# Altium PCB main.PcbDoc (part 4 of 5)
Units mm, origin at the board's own origin, x right, y up, seen from the top; angles counter-clockwise.
Board outline 54 x 86 mm, 8 copper layers (L1, L2, L3, L4, L5, L6, L7, L8), stack 1.624 mm thick; 313 components, 261 nets, 1426 pads, 897 vias.
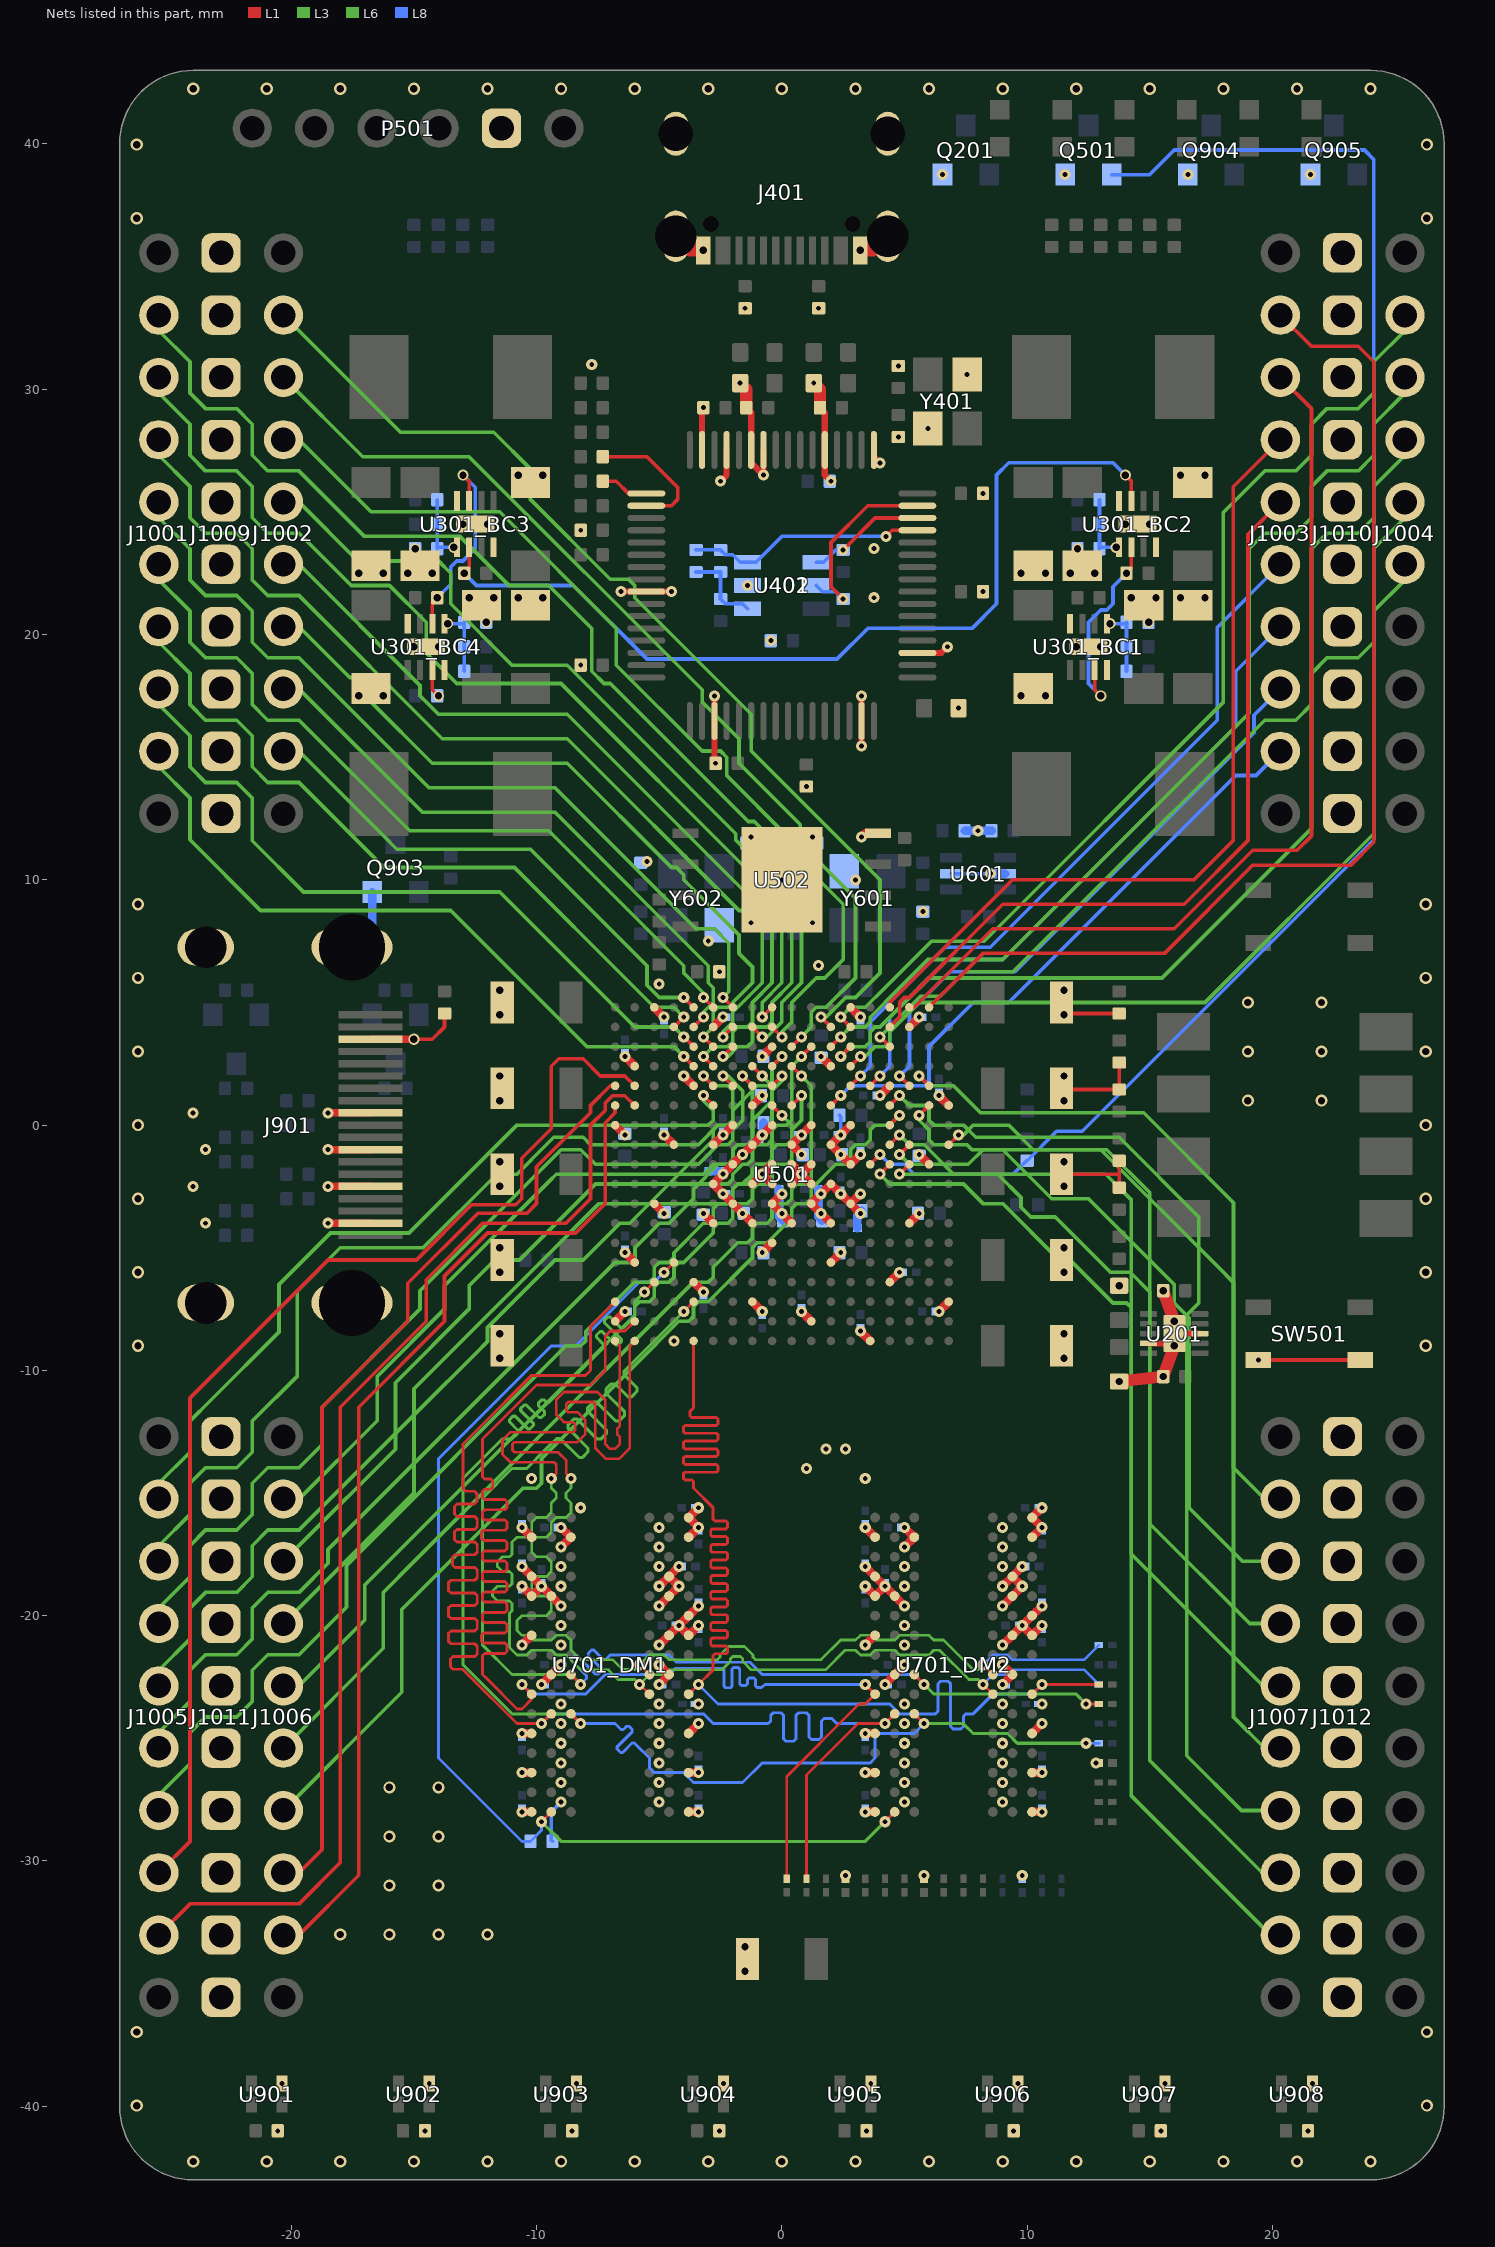
[diagram p10: the nets of this part, all layers, seen from the top]

## Via types
v1: diameter 0.45/0/0/0/0/0/0/0.45 (per signal layer), hole 0.2, L1 to L8, tented both sides, 459 vias
v2: diameter 0.45/0/0/0/0/0/0/0.45 (per signal layer), hole 0.3, L1 to L8, tented both sides, 203 vias
v3: diameter 0.45/0/0/0/0/0.45/0/0.45 (per signal layer), hole 0.2, L1 to L8, tented both sides, 98 vias
v4: diameter 0.5/0/0/0/0/0/0/0.5 (per signal layer), hole 0.3, L1 to L8, tented both sides, 72 vias
v5: diameter 0.45/0/0.45/0/0/0/0/0.45 (per signal layer), hole 0.2, L1 to L8, tented both sides, 58 vias
v6: diameter 0.45/0/0.45/0/0/0.45/0/0.45 (per signal layer), hole 0.2, L1 to L8, tented both sides, 6 vias
v7: diameter 0.45/0/0.45/0/0/0/0/0.45 (per signal layer), hole 0.3, L1 to L8, tented both sides, 1 vias

## Nets (pads, with @x,y where several pads share a name; then routed paths per layer and width w, separated by ;. In a path a pad name is that pad's centre, name@x,y a point inside that pad or via, vN(x,y) a via of type N, cw(c..) or ccw(c..) an arc to the next point about the centre after c; other vN are vias at no path point) (continued)
DDRCTL.CK_1_N: R826.1 U501.A1 U701_DM1.K7 U701_DM2.K7 | length 56.5
  L1 w0.108: v3(-9.4,-14.4) -9.204,-14.204 -9.204,-14 -9.204,-13.826 -9.286,-13.745 -11.068,-13.745 -11.389,-13.424 -11.389,-12.841 -11.068,-12.52 -8.506,-12.52 -8.425,-12.438 -8.425,-12.194 -8.506,-12.112 -8.883,-12.112 -9.204,-11.791 -9.204,-11.4 -9.204,-11.204 -8.88,-10.88 -7.52,-10.88 -7.4,-11 -7.2,-11.2 -7.2,-13 -7,-13.2 -6.8,-13.2 -6.604,-13.004 -6.604,-12.774 -6.604,-12.72 -6.709,-12.615 -6.709,-12.365 -6.604,-12.261 -6.604,-12.207 -6.604,-8.996 U501.A1@-6.8,-8.8 ; v6(-5.8,-22.8) U701_DM1.K7@-5.4,-23.2 ; v5(8.2,-22.8) U701_DM2.K7@8.6,-23.2
  L3 w0.114: v6(-5.8,-22.8) -5.4,-22.4 -4.8,-22.4 -4.607,-22.207 -2.8,-22.207 -2.45,-22.207 -2.105,-21.862 -2.105,-21.772 -2.002,-21.669 -1.694,-21.669 -1.591,-21.772 -1.591,-21.862 -1.246,-22.207 -0.848,-22.207 1.771,-22.207 2.571,-21.407 3.007,-21.407 3.2,-21.6 3.6,-21.6 3.793,-21.407 4.607,-21.407 4.8,-21.6 6,-21.6 6.193,-21.407 6.422,-21.407 7.622,-22.607 8.007,-22.607 v5(8.2,-22.8)
  L6 w0.114: v3(-9.4,-14.4) -9.4,-14.8 -9.2,-15 -9.2,-15.2 -9.4,-15.4 -9.4,-15.8 -9.6,-16 -10,-16 -10.2,-16.2 -10.2,-16.6 -10.4,-16.8 -10.8,-16.8 -11,-17 -11,-17.5 -11.1,-17.6 -11.4,-17.6 -11.6,-17.8 -11.6,-18 -11.4,-18.2 -11.1,-18.2 -11,-18.3 -11,-18.7 -11.1,-18.8 -11.6,-18.8 -11.8,-19 -11.8,-19.2 -11.6,-19.4 -11.1,-19.4 -11,-19.5 -11,-19.8 -11.1,-19.9 -11.1,-21.3 -10.8,-21.6 -10.4,-21.6 -10.207,-21.407 -9.393,-21.407 -9.2,-21.6 -8.8,-21.6 -8.193,-22.207 -7.071,-22.207 -6.671,-22.607 -5.993,-22.607 v6(-5.8,-22.8)
  L8 w0.108: v5(8.2,-22.8) 8.6,-22.4 9.2,-22.4 9.4,-22.2 12.325,-22.2 R826.1@12.925,-22.8
DDRCTL.CK_1_P: R825.2 U501.B1 U701_DM1.J7 U701_DM2.J7 | length 56.5
  L1 w0.108: v3(-8.6,-14.4) -8.796,-14.204 -8.796,-14 -8.796,-13.657 -9.117,-13.336 -10.899,-13.336 -10.98,-13.255 -10.98,-13.01 -10.899,-12.928 -8.337,-12.928 -8.016,-12.608 -8.016,-12.024 -8.337,-11.704 -8.714,-11.704 -8.796,-11.622 -8.796,-11.4 -8.796,-11.373 -8.711,-11.289 -7.689,-11.289 -7.608,-11.369 -7.608,-13.169 -7.489,-13.289 -7.289,-13.489 -7.169,-13.608 -6.631,-13.608 -6.511,-13.489 -6.196,-13.173 -6.196,-8.996 U501.B1@-6,-8.8 ; v6(-5.8,-22) U701_DM1.J7@-5.4,-22.4 ; v5(8.2,-22) U701_DM2.J7@8.6,-22.4
  L3 w0.114: v6(-5.8,-22) -5.4,-21.6 -4.8,-21.6 -4.607,-21.793 -2.8,-21.793 -2.622,-21.793 -2.519,-21.69 -2.519,-21.6 -2.174,-21.255 -1.522,-21.255 -1.177,-21.6 -1.177,-21.69 -1.074,-21.793 -0.848,-21.793 1.6,-21.793 2.4,-20.993 3.007,-20.993 3.2,-20.8 3.6,-20.8 3.793,-20.993 4.607,-20.993 4.8,-20.8 6,-20.8 6.193,-20.993 6.593,-20.993 7.793,-22.193 8.007,-22.193 v5(8.2,-22)
  L6 w0.114: v3(-8.6,-14.4) -8.6,-14.8 -8.8,-15 -8.8,-15.2 -8.6,-15.4 -8.6,-15.8 -8.8,-16 -9.2,-16 -9.4,-16.2 -9.4,-16.6 -9.6,-16.8 -10,-16.8 -10.2,-17 -10.2,-17.4 -10,-17.6 -9.6,-17.6 -9.4,-17.8 -9.4,-18.2 -9.6,-18.4 -10,-18.4 -10.2,-18.6 -10.2,-19 -10,-19.2 -9.6,-19.2 -9.4,-19.4 -9.4,-19.8 -9.6,-20 -10.6,-20 -10.8,-20.2 -10.8,-20.6 -10.6,-20.8 -10.4,-20.8 -10.207,-20.993 -9.393,-20.993 -9.2,-20.8 -8.8,-20.8 -8.6,-21 -8.6,-21.4 -8.207,-21.793 -6.9,-21.793 -6.5,-22.193 -5.993,-22.193 v6(-5.8,-22)
  L8 w0.108: v5(8.2,-22) 8.6,-21.6 9.2,-21.6 9.392,-21.792 12.333,-21.792 R825.2@12.925,-21.2
DDRCTL.CKE_1: R819.1 U501.E1 U701_DM1.K9 U701_DM2.K9 | length 58.2
  L1 w0.118: U701_DM1.K9@-3.8,-23.2 v1(-3.4,-22.8) -2.8,-22.2 -2.8,-22 -2.8,-21.622 -2.731,-21.553 -2.282,-21.553 -2.218,-21.489 -2.218,-21.298 -2.282,-21.235 -2.836,-21.235 -2.9,-21.171 -2.9,-20.98 -2.836,-20.916 -2.282,-20.916 -2.218,-20.853 -2.218,-20.662 -2.282,-20.598 -2.836,-20.598 -2.9,-20.534 -2.9,-20.343 -2.836,-20.279 -2.282,-20.279 -2.218,-20.216 -2.218,-20.025 -2.282,-19.961 -2.836,-19.961 -2.9,-19.897 -2.9,-19.706 -2.836,-19.643 -2.282,-19.643 -2.218,-19.579 -2.218,-19.388 -2.282,-19.324 -2.836,-19.324 -2.9,-19.261 -2.9,-19.07 -2.836,-19.006 -2.282,-19.006 -2.218,-18.942 -2.218,-18.751 -2.282,-18.687 -2.836,-18.687 -2.9,-18.624 -2.9,-18.433 -2.836,-18.369 -2.282,-18.369 -2.218,-18.305 -2.218,-18.114 -2.282,-18.051 -2.836,-18.051 -2.9,-17.987 -2.9,-17.796 -2.836,-17.732 -2.282,-17.732 -2.218,-17.669 -2.218,-17.478 -2.282,-17.414 -2.836,-17.414 -2.9,-17.35 -2.9,-17.159 -2.836,-17.095 -2.282,-17.095 -2.218,-17.032 -2.218,-16.841 -2.282,-16.777 -2.836,-16.777 -2.9,-16.713 -2.9,-16.522 -2.836,-16.459 -2.282,-16.459 -2.218,-16.395 -2.218,-16.204 -2.282,-16.14 -2.731,-16.14 -2.8,-16.071 -2.8,-15.8 -2.8,-15.6 -3.6,-14.8 -3.6,-14.6 -3.6,-14.541 -3.669,-14.471 -3.954,-14.471 -4.018,-14.408 -4.018,-14.217 -3.954,-14.153 -2.664,-14.153 -2.6,-14.089 -2.6,-13.898 -2.664,-13.835 -3.954,-13.835 -4.018,-13.771 -4.018,-13.58 -3.954,-13.516 -2.664,-13.516 -2.6,-13.453 -2.6,-13.262 -2.664,-13.198 -3.954,-13.198 -4.018,-13.134 -4.018,-12.943 -3.954,-12.879 -2.664,-12.879 -2.6,-12.816 -2.6,-12.625 -2.664,-12.561 -3.954,-12.561 -4.018,-12.497 -4.018,-12.306 -3.954,-12.243 -2.664,-12.243 -2.6,-12.179 -2.6,-11.988 -2.664,-11.924 -3.683,-11.924 -3.747,-11.861 -3.747,-11.67 -3.683,-11.606 -3.669,-11.606 -3.6,-11.536 -3.6,-11 U501.E1@-3.6,-8.8 ; U701_DM2.K9@10.2,-23.2 v1(10.6,-22.8) 11.1,-22.8 R819.1@12.925,-22.8
  L8 w0.118: v1(-3.4,-22.8) -2.6,-23.6 4.4,-23.6 4.8,-24 6.2,-24 6.259,-24 6.363,-23.896 6.363,-22.777 6.467,-22.674 6.778,-22.674 6.881,-22.777 6.881,-24.518 6.985,-24.621 7.296,-24.621 7.4,-24.518 7.4,-24.104 7.503,-24 7.6,-24 7.8,-24 8.6,-23.2 10.2,-23.2 v1(10.6,-22.8)
DDRCTL.CS#_1: R823.1 U501.A3 U701_DM1.L2 U701_DM2.L2 | length 64.1
  L1 w0.118: U701_DM1.L2@-9.4,-24 v1(-9.8,-24.4) -10.8,-24.4 -12.854,-22.346 -13.017,-22.183 -13.405,-22.183 -13.508,-22.079 -13.508,-21.768 -13.405,-21.664 -12.522,-21.664 -12.418,-21.561 -12.418,-21.25 -12.522,-21.146 -13.494,-21.146 -13.597,-21.042 -13.597,-20.731 -13.494,-20.627 -12.522,-20.627 -12.418,-20.524 -12.418,-20.213 -12.522,-20.109 -13.494,-20.109 -13.597,-20.005 -13.597,-19.694 -13.494,-19.591 -12.522,-19.591 -12.418,-19.487 -12.418,-19.176 -12.522,-19.072 -13.494,-19.072 -13.597,-18.969 -13.597,-18.658 -13.494,-18.554 -12.522,-18.554 -12.418,-18.45 -12.418,-18.139 -12.522,-18.035 -13.32,-18.035 -13.424,-17.932 -13.424,-17.621 -13.32,-17.517 -12.522,-17.517 -12.418,-17.413 -12.418,-17.102 -12.522,-16.999 -13.248,-16.999 -13.352,-16.895 -13.352,-16.584 -13.248,-16.48 -12.522,-16.48 -12.418,-16.377 -12.418,-16.066 -12.522,-15.962 -13.247,-15.962 -13.351,-15.858 -13.351,-15.547 -13.247,-15.443 -12.528,-15.443 -12.425,-15.34 -12.425,-15.029 -12.528,-14.925 -12.896,-14.925 -13,-14.821 -13,-13 -12.39,-12.39 -10.2,-10.2 -8,-10.2 -7.8,-10 -7.8,-8.2 U501.A3@-6.8,-7.2 ; R823.1@1,-30.725 1,-26.5 3.1,-24.4 v1(4.2,-24.4) U701_DM2.L2@4.6,-24
  L8 w0.118: v1(-9.8,-24.4) -9.4,-24 -3.2,-24 -2.8,-24.4 -0.618,-24.4 -0.558,-24.4 -0.455,-24.296 -0.455,-24.059 -0.351,-23.955 -0.04,-23.955 0.064,-24.059 0.064,-25.017 0.167,-25.12 0.478,-25.12 0.582,-25.017 0.582,-24.059 0.686,-23.955 0.997,-23.955 1.101,-24.059 1.101,-24.944 1.204,-25.048 1.515,-25.048 1.619,-24.944 1.619,-24.296 1.723,-24.193 2.034,-24.193 2.137,-24.296 2.241,-24.4 2.4,-24.4 v1(4.2,-24.4)
DDRCTL.ODT_1: R824.1 U501.B2 U701_DM1.K1 U701_DM2.K1 | length 64.4
  L1 w0.118: v1(-10.6,-22.8) U701_DM1.K1@-10.2,-23.2 -10.2,-23.4 -10.6,-23.8 -10.8,-23.8 -12.026,-22.574 -12.2,-22.4 -12.2,-22.1 -12.2,-21.622 -12.116,-21.539 -11.284,-21.539 -11.2,-21.455 -11.2,-21.204 -11.284,-21.12 -12.159,-21.12 -12.242,-21.037 -12.242,-20.786 -12.159,-20.702 -11.284,-20.702 -11.2,-20.618 -11.2,-20.367 -11.284,-20.284 -12.116,-20.284 -12.2,-20.2 -12.2,-19.949 -12.116,-19.865 -11.284,-19.865 -11.2,-19.781 -11.2,-19.53 -11.284,-19.447 -12.116,-19.447 -12.2,-19.363 -12.2,-19.112 -12.116,-19.028 -11.284,-19.028 -11.2,-18.945 -11.2,-18.694 -11.284,-18.61 -12.116,-18.61 -12.2,-18.526 -12.2,-18.275 -12.116,-18.192 -11.284,-18.192 -11.2,-18.108 -11.2,-17.857 -11.284,-17.773 -12.116,-17.773 -12.2,-17.689 -12.2,-17.438 -12.116,-17.355 -11.284,-17.355 -11.2,-17.271 -11.2,-17.02 -11.284,-16.936 -12.168,-16.936 -12.252,-16.853 -12.252,-16.602 -12.168,-16.518 -11.284,-16.518 -11.2,-16.434 -11.2,-16.183 -11.284,-16.1 -12.116,-16.1 -12.2,-16.016 -12.2,-15.765 -12.116,-15.681 -11.284,-15.681 -11.2,-15.597 -11.2,-15.346 -11.284,-15.263 -12.123,-15.263 -12.206,-15.179 -12.206,-14.928 -12.123,-14.844 -11.869,-14.844 -11.785,-14.761 -11.785,-14.51 -11.869,-14.426 -12.116,-14.426 -12.2,-14.342 -12.2,-13.824 -12.2,-12.8 -10,-10.6 -7.8,-10.6 -7.2,-10 -7.2,-8.6 -7,-8.4 -6.4,-8.4 U501.B2@-6,-8 ; R824.1@0.2,-30.725 0.2,-26.55 2.9,-23.85 3.15,-23.6 3.4,-23.6 U701_DM2.K1@3.8,-23.2 v1(3.4,-22.8)
  L8 w0.118: v1(-10.6,-22.8) -10.2,-23.2 -8,-23.2 -7.2,-22.4 -4.6,-22.4 -4.35,-22.15 -2.8,-22.15 -2.422,-22.15 -2.353,-22.219 -2.353,-22.874 -2.289,-22.938 -2.098,-22.938 -2.035,-22.874 -2.035,-22.182 -1.971,-22.118 -1.78,-22.118 -1.716,-22.182 -1.716,-22.784 -1.653,-22.847 -1.462,-22.847 -1.398,-22.784 -1.398,-22.602 -1.334,-22.538 -1.143,-22.538 -1.079,-22.602 -1.079,-22.869 -1.016,-22.933 -0.825,-22.933 -0.761,-22.869 -0.692,-22.8 -0.6,-22.8 v1(3.4,-22.8)
DDRCTL.RAS#_1: R822.1 U501.E3 U701_DM1.J3 U701_DM2.J3 | length 58.4
  L1 w0.118: U701_DM1.J3@-8.6,-22.4 v3(-8.2,-22.8) ; v3(-4,-7.6) U501.E3@-3.6,-7.2 ; U701_DM2.J3@5.4,-22.4 v3(5.8,-22.8) ; v3(12.4,-23.6) R822.1@12.925,-23.6
  L6 w0.126: v3(-8.2,-22.8) -8.6,-22.4 -11,-22.4 -12.2,-21.2 -12.2,-15.2 -11,-14 -10.4,-14 -9.6,-13.2 -9.183,-12.783 -9.034,-12.783 -8.272,-13.545 -8.123,-13.545 -7.9,-13.322 -7.9,-13.173 -8.713,-12.361 -8.713,-12.212 -8.49,-11.989 -8.341,-11.989 -7.528,-12.801 -7.379,-12.801 -7.156,-12.578 -7.156,-12.429 -7.918,-11.667 -7.918,-11.518 -7.695,-11.295 -7.546,-11.295 -6.784,-12.057 -6.635,-12.057 -6.412,-11.834 -6.412,-11.685 -7.174,-10.923 -7.174,-10.774 -6.951,-10.551 -6.802,-10.551 -6.275,-11.078 -6.126,-11.078 -5.903,-10.855 -5.903,-10.706 -6.43,-10.179 -6.43,-10.03 -6.223,-9.823 v3(-4,-7.6) ; v3(5.8,-22.8) 6.2,-23.2 12,-23.2 v3(12.4,-23.6)
  L8 w0.118: v3(-8.2,-22.8) -8,-22.6 -7.958,-22.558 -7.958,-22.46 -8.571,-21.847 -8.571,-21.757 -8.436,-21.622 -8.346,-21.622 -7.583,-22.384 -7.493,-22.384 -7.358,-22.249 -7.358,-22.159 -7.891,-21.626 -7.891,-21.536 -7.756,-21.401 -7.666,-21.401 -7.283,-21.785 -7.185,-21.785 -7.1,-21.7 -7,-21.6 -4.6,-21.6 -4.3,-21.9 -1.3,-21.9 -0.8,-22.4 5.4,-22.4 v3(5.8,-22.8)
DDRCTL.RESET#_1: R827.1 U501.D5 U701_DM1.T2 U701_DM2.T2 | length 47.1
  L1 w0.118: v3(-9.8,-28.4) U701_DM1.T2@-9.4,-28 ; v1(-4.8,-6) U501.D5@-4.4,-5.6 ; v3(4.2,-28.4) U701_DM2.T2@4.6,-28
  L6 w0.126: v3(-9.8,-28.4) -9,-29.2 3.4,-29.2 v3(4.2,-28.4)
  L8 w0.118: v3(-9.8,-28.4) -9.8,-28.75 R827.1@-10.25,-29.2 -10.6,-29.2 -14,-25.8 -14,-13.6 -9.4,-9 -8.4,-9 -7.6,-8.2 -5.8,-6.4 -5.2,-6.4 v1(-4.8,-6)
DDRCTL.WE#_1: R820.1 U501.C4 U701_DM1.L3 U701_DM2.L3 | length 58.4
  L1 w0.118: U701_DM1.L3@-8.6,-24 v3(-8.2,-24.4) ; v3(-5.6,-6.8) U501.C4@-5.2,-6.4 ; U701_DM2.L3@5.4,-24 v5(5.8,-24.4)
  L3 w0.126: v5(5.8,-24.4) 7.4,-24.4 7.8,-24.8 9.2,-24.8 9.6,-25.2 v5(12.4,-25.2)
  L6 w0.126: v3(-8.2,-24.4) -8.6,-24 -11,-24 -13,-22 -13,-14.4 -11.4,-12.8 -11,-12.8 -10.8,-12.6 -10.755,-12.555 -10.755,-12.451 -11.106,-12.1 -11.106,-12.008 -10.968,-11.869 -10.875,-11.869 -10.363,-12.382 -10.271,-12.382 -10.132,-12.244 -10.132,-12.151 -10.645,-11.639 -10.645,-11.547 -10.506,-11.408 -10.414,-11.408 -9.902,-11.921 -9.809,-11.921 -9.671,-11.782 -9.671,-11.69 -9.929,-11.432 -9.929,-11.34 -9.79,-11.202 -9.698,-11.202 -9.602,-11.298 -9.498,-11.298 -9.241,-11.041 -7.3,-9.1 -7.255,-9.055 -7.255,-8.951 -7.554,-8.652 -7.554,-8.56 -7.415,-8.422 -7.323,-8.422 -6.779,-8.966 -6.686,-8.966 -6.548,-8.828 -6.548,-8.736 -7.236,-8.048 -7.236,-7.956 -7.097,-7.817 -7.005,-7.817 -6.563,-8.259 -6.459,-8.259 -6.2,-8 -6,-7.8 -6,-7.2 v3(-5.6,-6.8)
  L8 w0.118: v3(-8.2,-24.4) -6.8,-24.4 -6.6,-24.6 -6.558,-24.642 -6.46,-24.642 -6.326,-24.508 -6.236,-24.508 -6.101,-24.643 -6.101,-24.733 -6.714,-25.346 -6.714,-25.436 -6.579,-25.572 -6.489,-25.572 -6.108,-25.19 -6.01,-25.19 -5.942,-25.258 -5.9,-25.3 -5.4,-25.8 -5.4,-26.2 -5.2,-26.4 -4,-26.4 -3.6,-26.8 -1.6,-26.8 -0.8,-26 3.6,-26 3.8,-25.8 3.8,-25 4,-24.8 5.4,-24.8 v5(5.8,-24.4) ; v5(12.4,-25.2) R820.1@12.925,-25.2
DI/TDO_4: R406.2 U401.18 | length 5.4
  L1 w0.15: R406.2@-7.3,27.25 -5.5,27.25 -4.25,26 -4.25,25.5 -4.5,25.25 U401.18@-5.525,25.25
DO/TDI_4: R405.2 U401.17 | length 2
  L1 w0.15: R405.2@-7.3,26.25 -6.75,26.25 -6.25,25.75 U401.17@-5.525,25.75
DO_4: R412.2 R416.2 R417.2 U402.1 | length 3.4
  L8 w0.15: R417.2@-3.5,22.55 R416.2@-2.5,22.55 R412.2@-2.5,21.45 -2.3,21.25 -1.6,21.25 U402.1@-1.4,21.05
DONE_6: Q501.1 R503.2 U501.P10 | length 65.7
  L1 w0.15: U501.P10@3.6,-1.6 v1(4,-1.2)
  L8 w0.15: v1(4,-1.2) 4.4,-1.6 5,-1.6 5.4,-2 7.6,-2 9.425,-2 9.975,-1.45 R503.2@10,-1.45 11.2,-0.25 12.25,-0.25 24.13,11.63 24.13,39.37 23.75,39.75 16,39.75 15,38.75 Q501.1@13.45,38.75
EECLK_4: R413.2 U401.62 U402.4 | length 4.9
  L1 w0.15: v1(2.5,23.45) 3.8,24.75 U401.62@5.525,24.75
  L8 w0.15: U402.4@1.4,22.95 1.7,22.95 2.2,23.45 v1(2.5,23.45)
EECS_4: R411.2 U401.63 U402.5 | length 8
  L1 w0.15: v1(2.5,21.45) 2,21.95 2,23.75 3.5,25.25 U401.63@5.525,25.25
  L8 w0.15: U402.5@1.4,22 1.65,21.75 2.2,21.75 v1(2.5,21.45)
EEDATA_4: R416.1 R417.1 U401.61 U402.3 | length 9.8
  L1 w0.15: v1(4.25,24) 4.5,24.25 U401.61@5.525,24.25
  L8 w0.15: R417.1@-3.5,23.45 R416.1@-2.5,23.45 -2.3,23.25 -2,23.25 -1.7,22.95 U402.3@-1.4,22.95 -1.05,22.95 0,24 v1(4.25,24)
EN_BC1: R301_BC2.2 U301_BC1.7 U301_BC2.2 | length 8.3
  L1 w0.15: U301_BC1.7@12.75,18.555 12.75,17.75 v2(13,17.5) ; v2(14.05,22.5) 14.25,22.7 U301_BC2.2@14.25,23.555
  L8 w0.15: v2(13,17.5) 12.5,18 12.5,20.5 13,21 13.25,21 13.5,21.25 13.5,21.95 v2(14.05,22.5)
EN_BC2: R301_BC3.2 U301_BC2.7 U301_BC3.2 | length 37.3
  L1 w0.15: v2(-12.95,22.5) -12.75,22.7 U301_BC3.2@-12.75,23.555 ; v2(14,26.5) 14.25,26.25 U301_BC2.7@14.25,25.445
  L8 w0.15: v2(-12.95,22.5) -12.45,22 -8.5,22 -5.5,19 2.25,19 3.5,20.25 7.75,20.25 8.75,21.25 8.75,26.5 9.25,27 13.5,27 v2(14,26.5)
EN_BC3: R301_BC4.2 U301_BC3.7 U301_BC4.2 | length 8.3
  L1 w0.15: U301_BC4.2@-14.25,20.445 -14.25,21.3 v2(-14.05,21.5) ; v2(-13,26.5) -12.75,26.25 U301_BC3.7@-12.75,25.445
  L8 w0.15: v2(-14.05,21.5) -13.5,22.05 -13.5,22.75 -13.25,23 -13,23 -12.5,23.5 -12.5,26 v2(-13,26.5)
EN_BC4: R202.2 U301_BC4.7 | length 1.2
  L1 w0.15: U301_BC4.7@-14.25,18.555 -14.25,17.75 v2(-14,17.5)
FB_BC1: C304_BC1.2 R209.2 R210.1 U301_BC1.1 | length 2.7
  L8 w0.15: v2(13.375,20.445) 13.995,20.445 R210.1@14.05,20.5 R209.2@14.05,19.5 C304_BC1.2@14.05,18.5
FB_BC2: C304_BC2.2 R206.2 R208.1 U301_BC2.1 | length 2.7
  L8 w0.15: C304_BC2.2@12.95,25.5 R206.2@12.95,24.5 R208.1@12.95,23.5 13.005,23.555 v2(13.625,23.555)
FB_BC3: C304_BC3.2 R204.2 R205.1 U301_BC3.1 | length 2.7
  L8 w0.15: C304_BC3.2@-14.05,25.5 R204.2@-14.05,24.5 R205.1@-14.05,23.5 -13.995,23.555 v2(-13.375,23.555)
FB_BC4: C304_BC4.2 R201.2 R203.1 U301_BC4.1 | length 2.7
  L8 w0.15: v2(-13.625,20.445) -13.005,20.445 R203.1@-12.95,20.5 R201.2@-12.95,19.5 C304_BC4.2@-12.95,18.5
GND: C201.2 C202.2 C203.2 C204.2 C301_BC1.2 C301_BC2.2 C301_BC3.2 C301_BC4.2 C302_BC1.2 C302_BC2.2 C302_BC3.2 C302_BC4.2 C303_BC1.2 C303_BC2.2 C303_BC3.2 C303_BC4.2 C401.2 C402.2 C403.2 C404.2 C405.2 C406.2 C407.2 C408.2 C409.2 C410.2 C411.2 C412.2 C413.2 C414.2 C415.2 C501.2 C502.2 C503.2 C504.2 C505.2 C506.2 C507.2 C508.2 C509.2 C510.2 C511.2 C512.2 C513.2 C514.2 C515.2 C516.2 C517.2 C518.2 C519.2 C520.2 C521.2 C522.2 C523.2 C524.2 C525.2 C526.2 C527.2 C528.2 C529.2 C530.2 C531.2 C532.2 C533.2 C534.2 C535.2 C536.2 C537.2 C538.2 C539.2 C540.2 C541.2 C542.2 C543.2 C544.2 C545.2 C546.2 C547.2 C548.2 C549.2 C550.2 C551.2 C552.2 C553.2 C554.2 C555.2 C556.2 C557.2 C601.2 C602.2 C603.2 C604.2 C701_DM1.2 C701_DM2.2 C702_DM1.2 C702_DM2.2 C703_DM1.2 C703_DM2.2 C704_DM1.2 C704_DM2.2 C705_DM1.2 C705_DM2.2 C706_DM1.2 C706_DM2.2 C707_DM1.2 C707_DM2.2 C708_DM1.2 C708_DM2.2 C709_DM1.2 C709_DM2.2 C710_DM1.2 C710_DM2.2 C711_DM1.2 C711_DM2.2 C712_DM1.2 C712_DM2.2 C713_DM1.2 C713_DM2.2 C714_DM1.2 C714_DM2.2 C715_DM1.2 C715_DM2.2 C716_DM1.2 C716_DM2.2 C717_DM1.2 C717_DM2.2 C718_DM1.2 C718_DM2.2 C801.2 C802.2 C803.2 C804.2 C805.2 C806.2 C807.2 C808.2 C909.2 C910.2 C911.2 C912.2 C913.2 C914.2 C915.2 C916.2 J401.1 J401.2 J401.3 J401.4 J401.A1-B12 J401.B1-A12 J901.2 J901.5 J901.8 J901.11 J901.17 J901.20 J901.21 J901.22 J901.23 J1009.1 J1009.2 J1009.3 J1009.4 J1009.5 J1009.6 J1009.7 J1009.8 J1009.9 J1009.10 J1010.1 J1010.2 J1010.3 J1010.4 J1010.5 J1010.6 J1010.7 J1010.8 J1010.9 J1010.10 J1011.1 J1011.2 J1011.3 J1011.4 J1011.5 J1011.6 J1011.7 J1011.8 J1011.9 J1011.10 J1012.1 J1012.2 J1012.3 J1012.4 J1012.5 J1012.6 J1012.7 J1012.8 J1012.9 J1012.10 P501.2 Q201.2 Q501.2 Q903.2 Q904.2 Q905.2 R203.2 R205.2 R208.2 R210.2 R403.2 R408.2 R410.2 R516.1 R517.2 R518.2 R519.2 R520.1 R701_DM1.2 R701_DM2.2 R827.2 R908.2 R911.2 R912.2 R913.2 SW501.3 SW501.4 U201.4 U201.8 U201.11 U301_BC1.4 U301_BC1.8 U301_BC1.9 U301_BC2.4 U301_BC2.8 U301_BC2.9 U301_BC3.4 U301_BC3.8 U301_BC3.9 U301_BC4.4 U301_BC4.8 U301_BC4.9 U401.1 U401.5 U401.10 U401.11 U401.13 U401.15 U401.25 U401.35 U401.47 U401.51 U402.2 U501.A2 U501.A12 U501.B5 U501.B15 U501.C8 U501.C18 U501.D1 U501.D11 U501.E4 U501.E14 U501.F7 U501.F9 U501.F11 U501.F17 U501.G8 U501.G10 U501.G12 U501.H3 U501.H7 U501.H9 U501.H11 U501.H13 U501.J6 U501.J8 U501.J9 U501.J10 U501.J12 U501.J16 U501.K7 U501.K9 U501.K10 U501.K11 U501.L2 U501.L8 U501.L9 U501.L10 U501.L12 U501.M5 U501.M7 U501.M9 U501.M11 U501.M15 U501.N8 U501.N10 U501.N12 U501.N18 U501.P1 U501.R4 U501.R14 U501.T7 U501.T17 U501.U10 U501.V3 U501.V13 U502.4 U502.9 U601.2 U601.5 U701_DM1.A9 U701_DM1.B1 U701_DM1.B3 U701_DM1.B9 U701_DM1.D1 U701_DM1.D8 U701_DM1.E1 U701_DM1.E2 U701_DM1.E8 U701_DM1.F9 U701_DM1.G1 U701_DM1.G8 U701_DM1.G9 U701_DM1.J2 U701_DM1.J8 U701_DM1.M1 U701_DM1.M9 U701_DM1.P1 U701_DM1.P9 U701_DM1.T1 U701_DM1.T9 U701_DM2.A9 U701_DM2.B1 U701_DM2.B3 U701_DM2.B9 U701_DM2.D1 U701_DM2.D8 U701_DM2.E1 U701_DM2.E2 U701_DM2.E8 U701_DM2.F9 U701_DM2.G1 U701_DM2.G8 U701_DM2.G9 U701_DM2.J2 U701_DM2.J8 U701_DM2.M1 U701_DM2.M9 U701_DM2.P1 U701_DM2.P9 U701_DM2.T1 U701_DM2.T9 U901.1 U902.1 U903.1 U904.1 U905.1 U906.1 U907.1 U908.1 Y401.2 Y401.4 Y601.2 Y602.2 | length 144.9